# KiCad board robot-hub_rev4.1.kicad_pcb
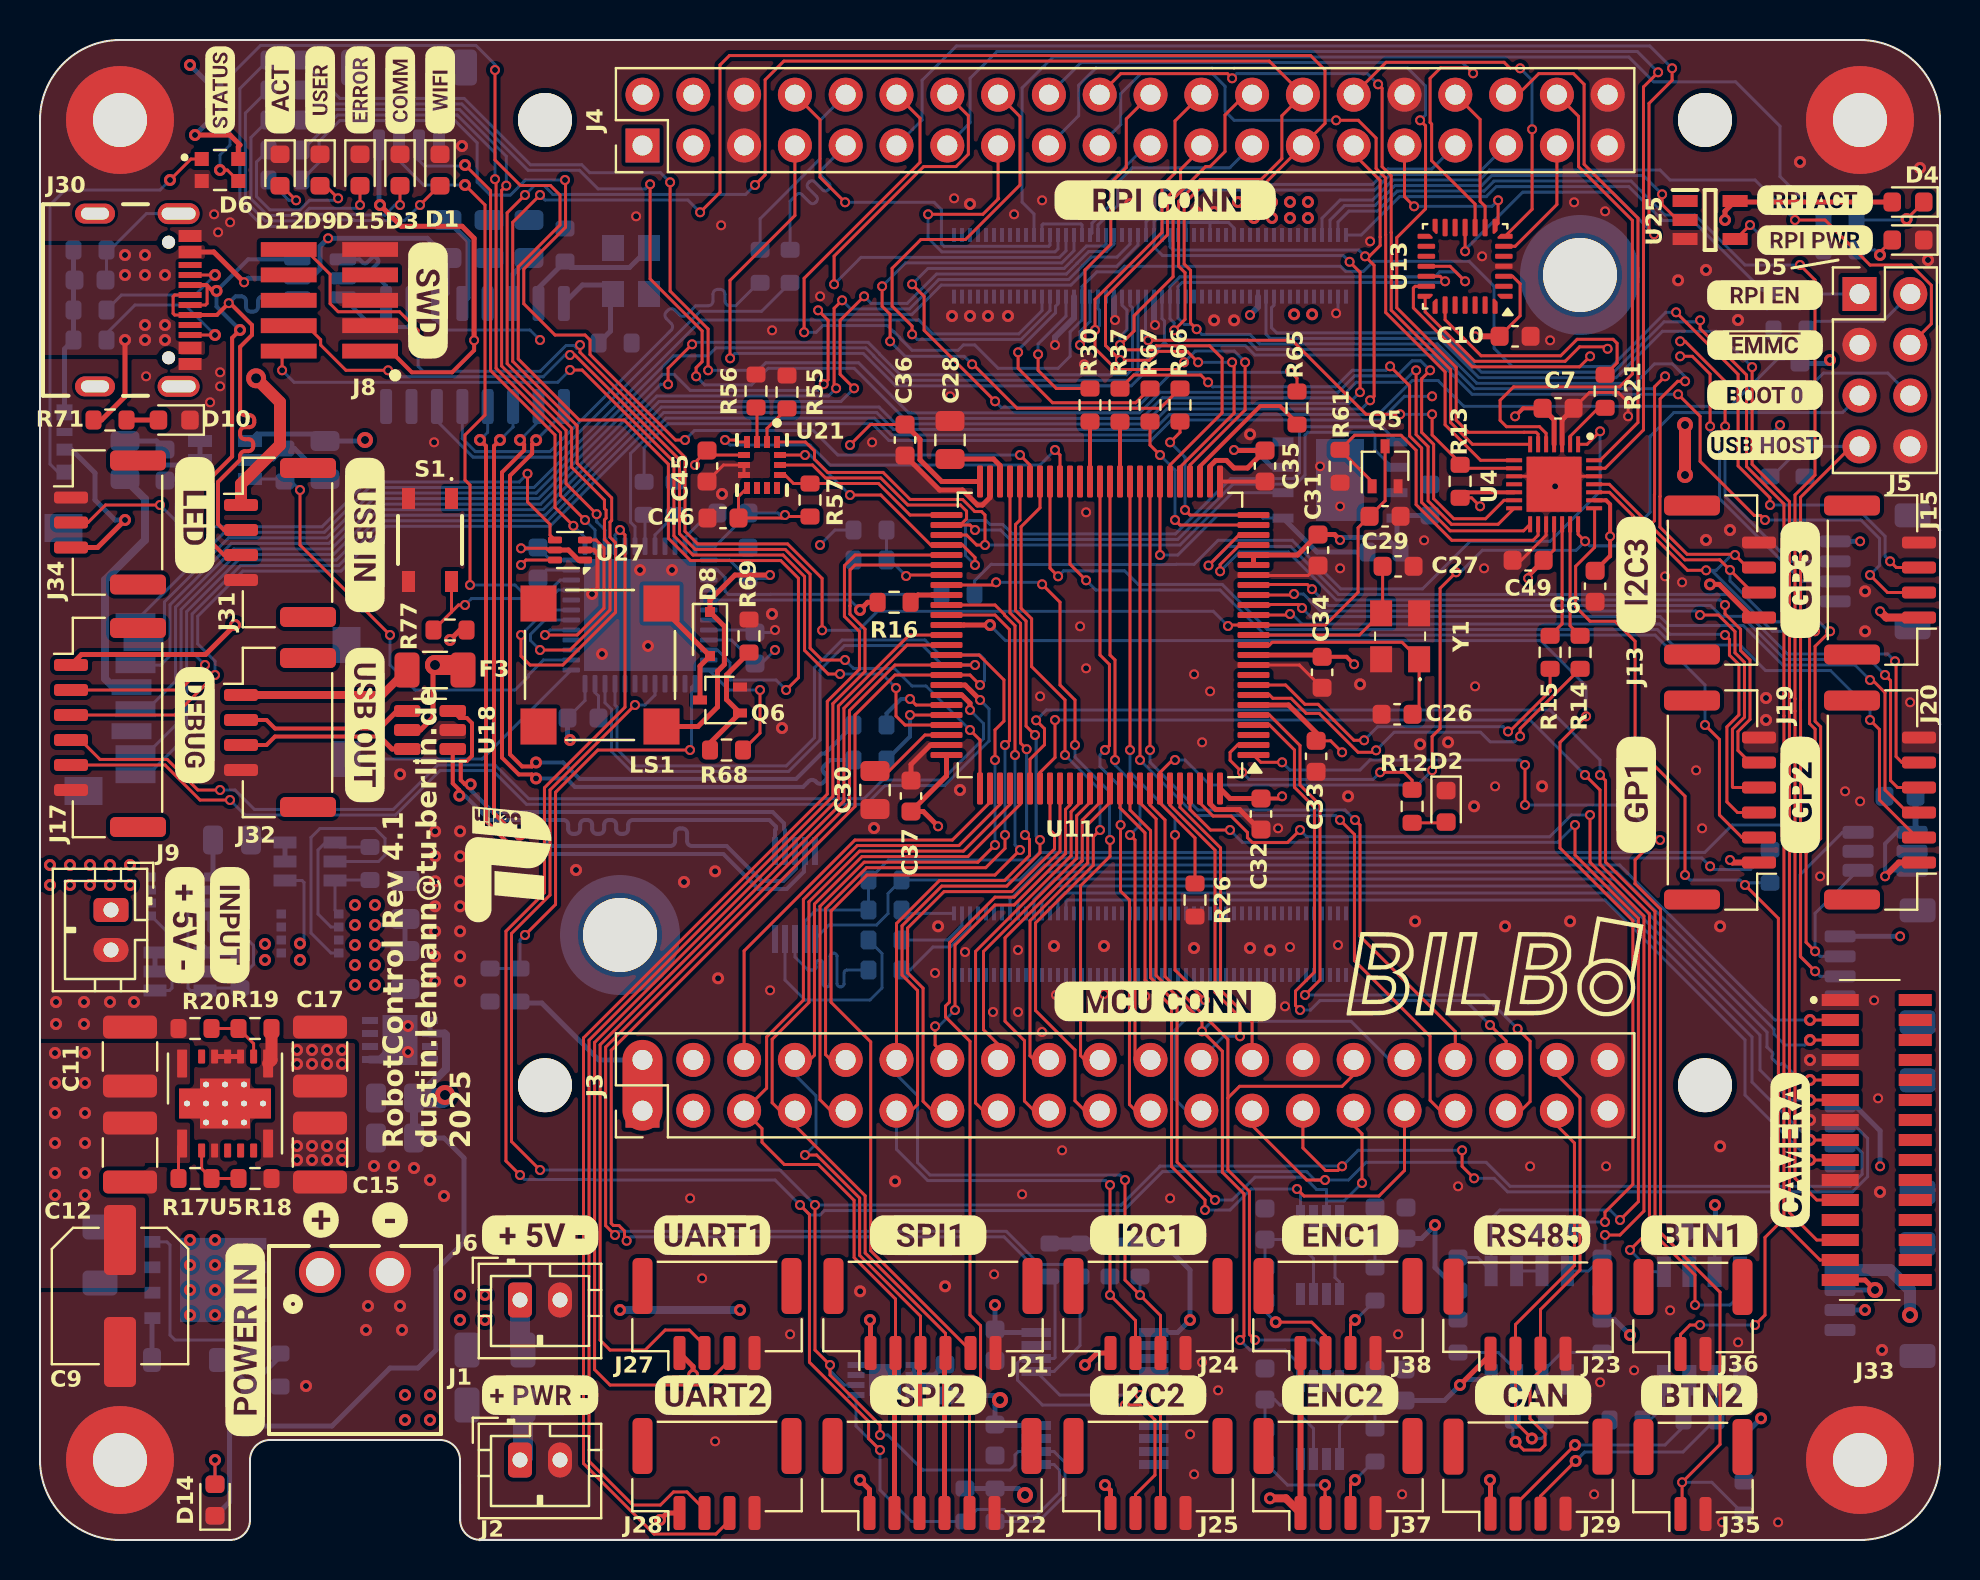
[diagram p0: board, top side]
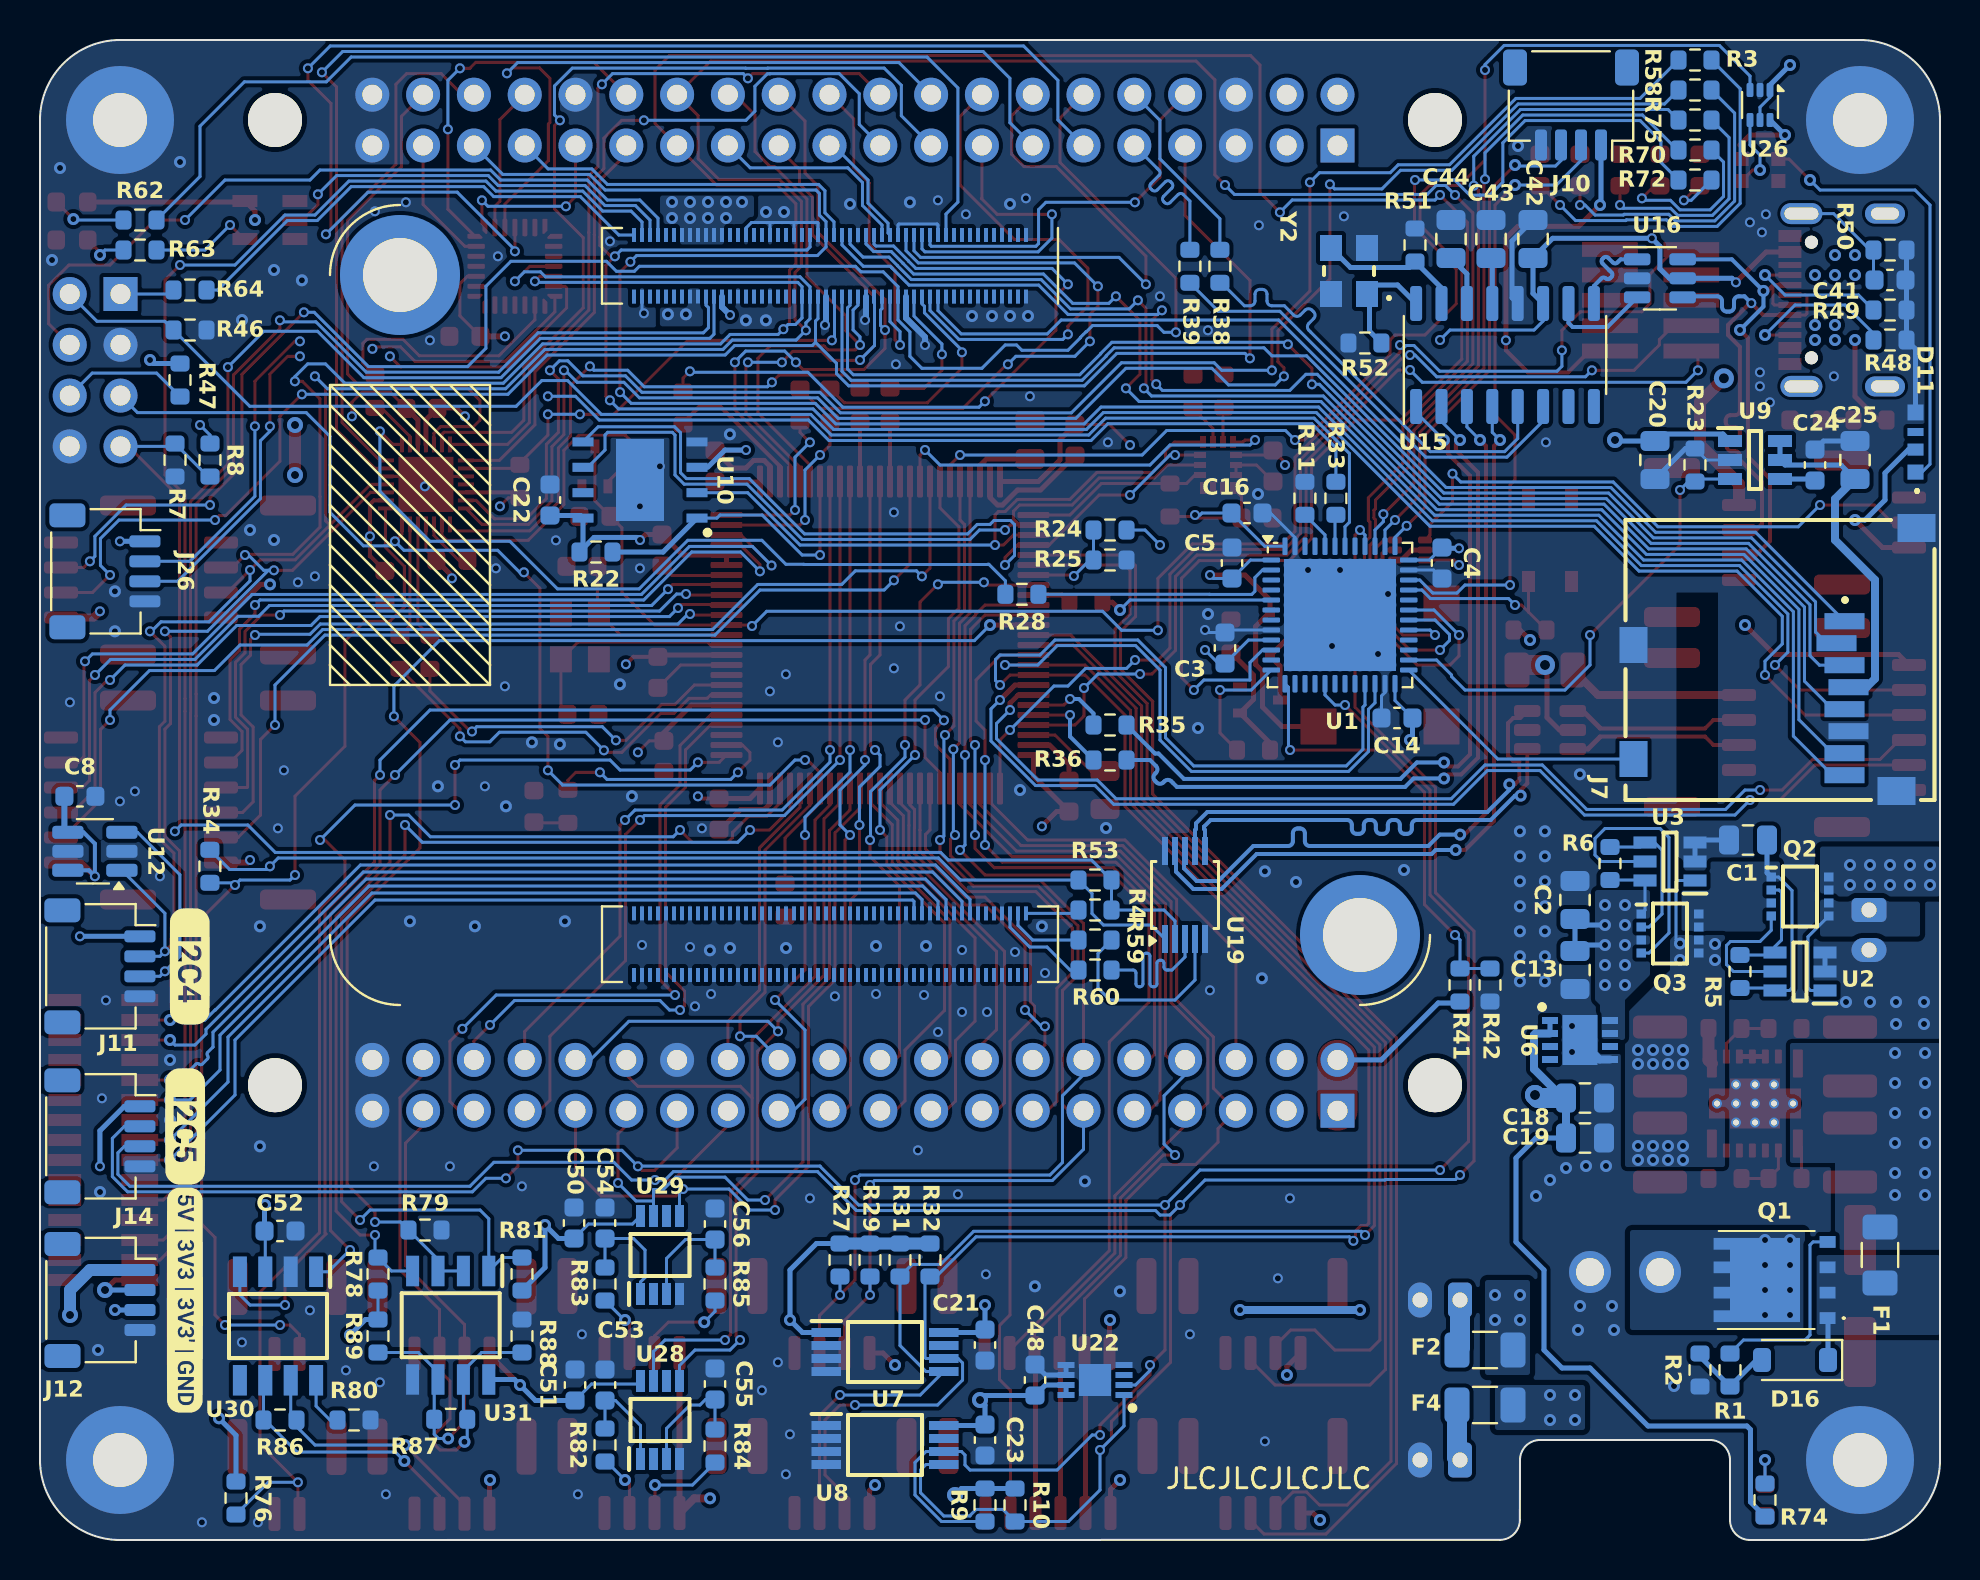
[diagram p1: board, bottom side, seen from below]

Outline 95 x 75 mm; copper layers: Top, POWER (plane), GND (plane), Bottom. Coordinates in mm from the lower left corner of the outline.
Outline path: 0,71 arc(1.17,73.83) 4,75 91,75 arc(93.83,73.83) 95,71 95,4 arc(93.83,1.17) 91,0 22.01,0.01 arc(21.3,0.3) 21.01,1.01 21,4 arc(20.71,4.71) 20,5 11.5,5 arc(10.79,4.71) 10.5,4 10.5,1 arc(10.21,0.29) 9.5,0 4,0 arc(1.17,1.17) 0,4 0,71
Stack: Top 0.035mm / dielectric 0.5mm FR4 er 4.5 / POWER 0.035mm / dielectric 0.5mm FR4 er 4.5 / GND 0.035mm / dielectric 0.5mm FR4 er 4.5 / Bottom 0.035mm

## Placement (name value [footprint] x y rotation side)
C1  10u  [C_0805_2012Metric]  9.6 35 0 bottom
C2  10u  [C_0805_2012Metric]  18.25 32 90 bottom
C3  0.1u  [C_0603_1608Metric]  35.75 44.6 90 bottom
C4  0.1u  [C_0603_1608Metric]  24.9 48.85 270 bottom
C5  0.1u  [C_0603_1608Metric]  35.4 48.85 90 bottom
C6  100n  [C_0603_1608Metric]  77.75 47.69 270 top
C7  100n  [C_0603_1608Metric]  75.91 56.59 0 top
C8  100n  [C_0603_1608Metric]  93 37.19 180 bottom
C9  47uF  [CP_Elec_6.3x5.2]  4 12.2 270 top
C10  100n  [C_0603_1608Metric]  73.75 60.19 0 top
C11  10u  [C_1210_3225Metric]  4.5 24.17 90 top
C12  10u  [C_1210_3225Metric]  4.5 19.38 270 top
C13  1u  [C_0805_2012Metric]  18.25 28.5 270 bottom
C14  0.1u  [C_0603_1608Metric]  27.15 41.1 0 bottom
C15  C_Small  [C_1210_3225Metric]  14 19.38 270 top
C16  0.1u  [C_0603_1608Metric]  34.65 51.35 180 bottom
C17  C_Small  [C_1210_3225Metric]  14 24.17 90 top
C18  10u  [C_0805_2012Metric]  17.75 22.1 180 bottom
C19  10u  [C_0805_2012Metric]  17.75 20.1 180 bottom
C20  33u  [C_0805_2012Metric]  14.25 54 270 bottom
C21  100n  [C_0603_1608Metric]  47.75 9.75 270 bottom
C22  100n  [C_0603_1608Metric]  69.5 52 270 bottom
C23  100n  [C_0603_1608Metric]  47.75 5 270 bottom
C24  4n7  [C_0603_1608Metric]  6.25 53.75 90 bottom
C25  2u2  [C_0805_2012Metric]  4.25 54 90 bottom
C26  20pF  [C_0603_1608Metric]  67.85 41.28 180 top
C27  20pF  [C_0603_1608Metric]  67.91 48.69 0 top
C28  2u2  [C_0805_2012Metric]  45.5 55 270 top
C29  100n  [C_0603_1608Metric]  67.25 51.19 0 top
C30  2u2  [C_0805_2012Metric]  41.75 37.5 90 top
C31  100n  [C_0603_1608Metric]  63.9 49.5 270 top
C32  100n  [C_0603_1608Metric]  61.05 36.3 270 top
C33  100n  [C_0603_1608Metric]  63.81 39.19 270 top
C34  100n  [C_0603_1608Metric]  64.1 43.39 270 top
C35  100n  [C_0603_1608Metric]  61.25 53.7 90 top
C36  100n  [C_0603_1608Metric]  43.25 55 270 top
C37  100n  [C_0603_1608Metric]  43.55 37.2 90 top
C41  22p  [C_0603_1608Metric]  2.5 63 180 bottom
C42  100n  [C_0805_2012Metric]  20.35 65.05 90 bottom
C43  10u  [C_0805_2012Metric]  22.45 65.05 90 bottom
C44  10u  [C_0805_2012Metric]  24.45 65.05 90 bottom
C45  100n  [C_0603_1608Metric]  33.35 53.7 270 top
C46  100n  [C_0603_1608Metric]  34.15 51.1 180 top
C48  100n  [C_0603_1608Metric]  45.25 8 90 bottom
C49  100n  [C_0603_1608Metric]  74.41 48.98 180 top
C50  0.1u  [C_0603_1608Metric]  68.3 15.85 90 bottom
C51  0.1u  [C_0603_1608Metric]  68.25 7.75 90 bottom
C52  100n  [C_0603_1608Metric]  83 15.45 180 bottom
C53  100p  [C_0603_1608Metric]  66.75 7.75 90 bottom
C54  100p  [C_0603_1608Metric]  66.75 15.85 90 bottom
C55  100p  [C_0603_1608Metric]  61.25 7.8 90 bottom
C56  100p  [C_0603_1608Metric]  61.25 15.8 90 bottom
D1  CM4_LED_INTERNAL  [LED_0603_1608Metric]  20 68.5 270 top
D2  UC_LED2  [LED_0603_1608Metric]  70.31 36.69 270 top
D3  CM4_LED_SX1508  [LED_0603_1608Metric]  18 68.5 270 top
D4  ACT_LED_CM4  [LED_0603_1608Metric]  93.4 66.9 180 top
D5  PWR_LED_CM4  [LED_0603_1608Metric]  93.4 65 180 top
D6  WS2812-2020  [ws2812_2020]  9 68.5 0 top
D8  1N4148  [D_SOD-323F]  33.5 45.3 270 top
D9  UC_LED2  [LED_0603_1608Metric]  14 68.5 270 top
D10  USB_LED  [LED_0603_1608Metric]  6.71 56 180 top
D11  SK6812_SIDE  [SK6812SIDE]  0.9 54.9 90 bottom
D12  UC_LED1  [LED_0603_1608Metric]  12 68.5 270 top
D14  PWR_LED  [LED_0603_1608Metric]  8.75 2 90 top
D15  ERROR_LED  [LED_0603_1608Metric]  16 68.5 270 top
D16  MMSZ5242BT1G  [D_SOD-123]  7.25 9 0 bottom
F1  5A Fuse  [Fuse_1206_3216Metric]  3 14.25 90 bottom
F2  2A Fuse  [Fuse_1206_3216Metric]  22.75 9.5 0 bottom
F3  1A Fuse  [Fuse_1206_3216Metric]  19.75 43.5 180 top
F4  2A Fuse  [Fuse_1206_3216Metric]  22.75 6.75 0 bottom
G***  LOGO  [camera]  87.5 19.5 90 top
G***#2  LOGO  [enc2]  65 7.25 0 top
G***#3  LOGO  [plus]  14.05 16 0 top
G***#4  LOGO  [rpi_conn]  56.25 67 0 top
G***#5  LOGO  [usb_host]  86.25 54.75 0 top
G***#6  LOGO  [debug]  7.75 40.75 270 top
G***#7  LOGO  [enc1]  65 15.25 0 top
G***#8  LOGO  [spi1]  44.4 15.25 0 top
G***#9  LOGO  [btn1]  82.95 15.25 0 top
G***#10  LOGO  [error]  16 72.5 90 top
G***#11  LOGO  [i2c2]  55.4 7.25 0 top
G***#12  LOGO  [not_emmc]  86.25 59.75 0 top
G***#13  LOGO  [mcu_conn]  56.25 26.94 0 top
G***#14  LOGO  [rpi_pwr]  88.75 65 0 top
G***#15  LOGO  [act]  12 72.5 90 top
G***#16  LOGO  [5v_small]  7.25 30.75 270 top
G***#17  LOGO  [tub_6]  23.41 33.78 90 top
G***#18  LOGO  [usb_in]  16.25 50.25 270 top
G***#19  LOGO  [minus]  17.5 16 0 top
G***#20  LOGO  [power_in]  10.25 10 90 top
G***#21  LOGO  [comm]  18 72.48 90 top
G***#22  LOGO  [i2c3]  79.8 48.25 90 top
G***#23  LOGO  [user_1.5]  14 72.5 90 top
G***#24  LOGO  [boot0]  86.25 57.25 0 top
G***#25  LOGO  [swd]  19.41 61.98 270 top
G***#26  LOGO  [5v_small]  25 15.25 0 top
G***#27  LOGO  [rs485]  74.6 15.25 0 top
G***#28  LOGO  [spi2]  44.4 7.25 0 top
G***#29  LOGO  [uart2]  33.65 7.25 0 top
G***#30  LOGO  [uart1]  33.6 15.25 0 top
G***#31  LOGO  [pwr_2]  25 7.25 0 top
G***#32  LOGO  [input]  9.5 30.75 270 top
G***#33  LOGO  [bilbo]  72.75 28.69 0 top
G***#34  LOGO  [gp3]  88 48 90 top
G***#35  LOGO  [i2c1]  55.4 15.25 0 top
G***#36  LOGO  [rpi_en]  86.25 62.25 0 top
G***#37  LOGO  [gp2]  88 37.25 90 top
G***#38  LOGO  [usb_out]  16.25 40.75 270 top
G***#39  LOGO  [can]  74.65 7.25 0 top
G***#40  LOGO  [rpi_act]  88.75 67 0 top
G***#41  LOGO  [status]  9 72.5 90 top
G***#42  LOGO  [gp1]  79.8 37.25 90 top
G***#43  LOGO  [led]  7.75 51.25 270 top
G***#44  LOGO  [wifi]  20 72.5 90 top
G***#45  LOGO  [btn2]  82.95 7.25 0 top
G***#46  LOGO  [i2c5]  87.74 20.69 270 bottom
G***#47  LOGO  [i2c4]  87.5 28.69 270 bottom
G***#48  LOGO  [power_conn]  87.75 12 270 bottom
H1  MountingHole  [WA-SMSI-25]  77 63.25 180 bottom
H2  MountingHole  [WA-SMSI-25]  29 30.25 180 bottom
H3  MountingHole_Pad  [MountingHole_2.7mm_M2.5_Pad]  91 4 0 top
H4  MountingHole_Pad  [MountingHole_2.7mm_M2.5_Pad]  4 71 0 top
H5  MountingHole_Pad  [MountingHole_2.7mm_M2.5_Pad]  91 71 0 top
H6  MountingHole_Pad  [MountingHole_2.7mm_M2.5_Pad]  4 4 0 top
H9  MountingHole_Pad  [MountingHole_2.7mm_M2.5_DIN965]  83.25 22.74 0 top
H10  MountingHole  [MountingHole_2.7mm_M2.5_DIN965]  25.25 22.74 0 top
H11  MountingHole_Pad  [MountingHole_2.7mm_M2.5_DIN965]  83.25 71 0 top
H12  MountingHole_Pad  [MountingHole_2.7mm_M2.5_DIN965]  25.25 71 0 top
J1  POWER_IN  [691322110002]  15.75 13.4 0 top
J2  PWR_OUT  [JST_PH_B2B-PH-K_1x02_P2.00mm_Vertical]  24 4 0 top
J3  MCU_CONN  [PinHeader_2x20_P2.54mm_Vertical]  30.12 21.47 90 top
J4  RPI_CONN  [PinHeader_2x20_P2.54mm_Vertical]  30.12 69.72 90 top
J5  JUMPER_BLOCK  [PinHeader_2x04_P2.54mm_Vertical]  90.97 62.3 0 top
J6  5V_OUT  [JST_PH_B2B-PH-K_1x02_P2.00mm_Vertical]  24 12 0 top
J7  MEM2061-01-188-00-A_REVA  [GCT_MEM2061-01-188-00-A_REVA]  8 44 90 bottom
J8  SWD  [FTSH10501LDVK]  16.5 61.98 90 top
J9  5V_IN  [JST_PH_B2B-PH-K_1x02_P2.00mm_Vertical]  3.55 31.5 270 top
J10  LED-DRIVER_SWD  [JST_SH_SM04B-SRSS-TB_1x04-1MP_P1.00mm_Horizontal]  18.45 71.75 0 bottom
J11  CM4_I2C_UB2  [JST_SH_SM04B-SRSS-TB_1x04-1MP_P1.00mm_Horizontal]  92 28.69 270 bottom
J12  POWER  [JST_SH_SM04B-SRSS-TB_1x04-1MP_P1.00mm_Horizontal]  92 12 270 bottom
J13  CM4_I2C1  [JST_GH_BM04B-GHS-TBT_1x04-1MP_P1.25mm_Vertical]  84 48 90 top
J14  UC_I2C_3  [JST_SH_SM04B-SRSS-TB_1x04-1MP_P1.00mm_Horizontal]  92 20.19 270 bottom
J15  CM4_GP1  [JST_GH_BM04B-GHS-TBT_1x04-1MP_P1.25mm_Vertical]  92 48 90 top
J17  DEBUG_CONN  [JST_GH_BM06B-GHS-TBT_1x06-1MP_P1.25mm_Vertical]  3.5 40.62 270 top
J19  UC_EXP_1  [JST_GH_BM06B-GHS-TBT_1x06-1MP_P1.25mm_Vertical]  84 37 90 top
J20  UC_EXP_2  [JST_GH_BM06B-GHS-TBT_1x06-1MP_P1.25mm_Vertical]  92 37 90 top
J21  UC_SPI_1  [JST_GH_BM06B-GHS-TBT_1x06-1MP_P1.25mm_Vertical]  44.65 11.3 0 top
J22  UC_SPI_2  [JST_GH_BM06B-GHS-TBT_1x06-1MP_P1.25mm_Vertical]  44.6 3.3 0 top
J23  UC_RS485  [JST_GH_BM04B-GHS-TBT_1x04-1MP_P1.25mm_Vertical]  74.4 11.27 0 top
J24  UC_I2C_1  [JST_GH_BM04B-GHS-TBT_1x04-1MP_P1.25mm_Vertical]  55.4 11.3 0 top
J25  UC_I2C_2  [JST_GH_BM04B-GHS-TBT_1x04-1MP_P1.25mm_Vertical]  55.4 3.3 0 top
J26  CM4_EXTENDER_STM_SWD  [JST_SH_SM04B-SRSS-TB_1x04-1MP_P1.00mm_Horizontal]  91.75 48.44 270 bottom
J27  UC_UART_1  [JST_GH_BM04B-GHS-TBT_1x04-1MP_P1.25mm_Vertical]  33.85 11.3 0 top
J28  UC_UART_2  [JST_GH_BM04B-GHS-TBT_1x04-1MP_P1.25mm_Vertical]  33.85 3.3 0 top
J29  UC_CAN  [JST_GH_BM04B-GHS-TBT_1x04-1MP_P1.25mm_Vertical]  74.4 3.27 0 top
J30  USB4105-GF-A  [GCT_USB4105-GF-A]  2.75 62 270 top
J31  USB_IN  [JST_GH_BM04B-GHS-TBT_1x04-1MP_P1.25mm_Vertical]  12 49.88 270 top
J32  USB_EXT  [JST_GH_BM04B-GHS-TBT_1x04-1MP_P1.25mm_Vertical]  12 40.38 270 top
J33  Camera  [117342485]  89.99 20 90 top
J34  LED_EXT  [JST_GH_BM03B-GHS-TBT_1x03-1MP_P1.25mm_Vertical]  3.5 50.88 270 top
J35  USER_BTN_EXT  [JST_GH_BM02B-GHS-TBT_1x02-1MP_P1.25mm_Vertical]  82.65 3.25 0 top
J36  USER_BTN_EXT_2  [JST_GH_BM02B-GHS-TBT_1x02-1MP_P1.25mm_Vertical]  82.65 11.25 0 top
J37  ENCODER_1  [JST_GH_BM04B-GHS-TBT_1x04-1MP_P1.25mm_Vertical]  64.9 3.3 0 top
J38  ENCODER_2  [JST_GH_BM04B-GHS-TBT_1x04-1MP_P1.25mm_Vertical]  64.9 11.3 0 top
LS1  CMT-7525-80-SMT-TR  [XDCR_CMT-7525-80-SMT-TR]  28 43.75 180 top
Module1  ComputeModule4  [Raspberry-Pi-4-Compute-Module]  77 63.25 270 bottom
Q1  -  [RS1E260ATTB1]  8.27 13 90 bottom
Q2  QH8*  [SOTFL65P280X85-8N]  7 32.17 180 bottom
Q3  QH8*  [SOTFL65P280X85-8N]  13.5 30.33 180 bottom
Q5  BSS138  [SOT-323_SC-70]  67.25 53.69 90 top
Q6  BC817  [SOT-323_SC-70]  34 42 180 top
R1  10k  [R_0603_1608Metric]  10.5 8.5 270 bottom
R2  100k  [R_0603_1608Metric]  12 8.5 270 bottom
R3  1k  [R_0603_1608Metric]  12.25 74 180 bottom
R4  0  [R_0603_1608Metric]  42.25 31.5 180 bottom
R5  470k  [R_0603_1608Metric]  10 28.42 90 bottom
R6  470k  [R_0603_1608Metric]  16.5 33.83 90 bottom
R7  DNP  [R_0603_1608Metric]  88.25 54 270 bottom
R8  DNP  [R_0603_1608Metric]  86.5 54 270 bottom
R9  4k7  [R_0603_1608Metric]  47.75 1.75 90 bottom
R10  4k7  [R_0603_1608Metric]  46.25 1.75 90 bottom
R11  10k  [R_0603_1608Metric]  31.75 52.09 90 bottom
R12  1k  [R_0603_1608Metric]  68.6 36.69 270 top
R13  10k  [R_0603_1608Metric]  71 52.94 270 top
R14  1k  [R_0603_1608Metric]  77 44.39 270 top
R15  1k  [R_0603_1608Metric]  75.5 44.39 270 top
R16  1k  [R_0603_1608Metric]  42.7 46.89 180 top
R17  R1  [R_0603_1608Metric]  7.75 18.08 0 top
R18  R2  [R_0603_1608Metric]  10.75 18.08 0 top
R19  R1  [R_0603_1608Metric]  10.75 25.58 180 top
R20  R2  [R_0603_1608Metric]  7.75 25.58 180 top
R21  1k  [R_0603_1608Metric]  78.25 57.44 270 top
R22  10k  [R_0603_1608Metric]  67.2 49.4 180 bottom
R23  10k  [R_0603_1608Metric]  12.25 53.75 270 bottom
R24  10k  [R_0603_1608Metric]  41.5 50.5 0 bottom
R25  10k  [R_0603_1608Metric]  41.5 49 180 bottom
R26  10k  [R_0603_1608Metric]  57.75 32 270 top
R27  4.7k  [R_0603_1608Metric]  55 14 270 bottom
R28  10k  [R_0603_1608Metric]  45.91 47.28 0 bottom
R29  4.7k  [R_0603_1608Metric]  53.5 14 270 bottom
R30  100  [R_0603_1608Metric]  52.5 56.75 90 top
R31  4.7k  [R_0603_1608Metric]  52 14 270 bottom
R32  4.7k  [R_0603_1608Metric]  50.5 14 270 bottom
R33  1k  [R_0603_1608Metric]  30.2 52.09 90 bottom
R34  10k  [R_0603_1608Metric]  86.5 33.69 270 bottom
R35  22  [R_0603_1608Metric]  41.5 40.75 180 bottom
R36  22  [R_0603_1608Metric]  41.5 39 180 bottom
R37  100  [R_0603_1608Metric]  54 56.74 270 top
R38  NC  [R_0603_1608Metric]  36 63.69 90 bottom
R39  NC  [R_0603_1608Metric]  37.5 63.69 90 bottom
R41  100k  [R_0603_1608Metric]  24 27.75 270 bottom
R42  10k  [R_0603_1608Metric]  22.5 27.75 90 bottom
R46  20k  [R_0603_1608Metric]  87.5 60.5 0 bottom
R47  1k  [R_0603_1608Metric]  88 58 270 bottom
R48  5.1k  [R_0603_1608Metric]  2.5 60 180 bottom
R49  5.1k  [R_0603_1608Metric]  2.5 61.5 180 bottom
R50  1M  [R_0603_1608Metric]  2.5 64.5 180 bottom
R51  NC  [R_0603_1608Metric]  26.25 64.75 90 bottom
R52  NC  [R_0603_1608Metric]  28.75 59.85 180 bottom
R53  10k  [R_0603_1608Metric]  42.25 33 180 bottom
R55  309k  [R_0603_1608Metric]  37.35 57.4 90 top
R56  309k  [R_0603_1608Metric]  35.8 57.45 90 top
R57  10k  [R_0603_1608Metric]  38.5 52 90 top
R58  1k  [R_0603_1608Metric]  12.25 72.5 180 bottom
R59  22  [R_0603_1608Metric]  42.25 30 180 bottom
R60  22  [R_0603_1608Metric]  42.25 28.5 180 bottom
R61  10k  [R_0603_1608Metric]  65 53.69 270 top
R62  1k  [R_0603_1608Metric]  90 66 180 bottom
R63  1k  [R_0603_1608Metric]  90 64.5 180 bottom
R64  100  [R_0603_1608Metric]  87.5 62.5 0 bottom
R65  1k  [R_0603_1608Metric]  62.85 56.6 270 top
R66  1k  [R_0603_1608Metric]  57 56.75 270 top
R67  1k  [R_0603_1608Metric]  55.5 56.75 270 top
R68  180  [R_0603_1608Metric]  34.32 39.5 0 top
R69  10k  [R_0603_1608Metric]  35.45 45.2 90 top
R70  1k  [R_0603_1608Metric]  12.25 69.5 180 bottom
R71  1k  [R_0603_1608Metric]  3.5 56 0 top
R72  1k  [R_0603_1608Metric]  12.25 68 180 bottom
R74  1k  [R_0603_1608Metric]  8.75 2 90 bottom
R75  1k  [R_0603_1608Metric]  12.25 71 180 bottom
R76  10k  [R_0603_1608Metric]  85.2 2.1 270 bottom
R77  10k  [R_0603_1608Metric]  20.5 45.5 180 top
R78  10k  [R_0603_1608Metric]  78.1 13.3 90 bottom
R79  10k  [R_0603_1608Metric]  75.75 15.5 180 bottom
R80  10k  [R_0603_1608Metric]  79.3 6 180 bottom
R81  10k  [R_0603_1608Metric]  70.9 13.3 90 bottom
R82  1k  [R_0603_1608Metric]  66.75 4.75 270 bottom
R83  1k  [R_0603_1608Metric]  66.75 12.8 270 bottom
R84  1k  [R_0603_1608Metric]  61.25 4.7 270 bottom
R85  1k  [R_0603_1608Metric]  61.25 12.8 270 bottom
R86  120  [R_0603_1608Metric]  83 6 0 bottom
R87  120  [R_0603_1608Metric]  74.47 6.04 0 bottom
R88  390 (NC)  [R_0603_1608Metric]  70.9 10.2 270 bottom
R89  390 (NC)  [R_0603_1608Metric]  78.1 10.2 90 bottom
S1  -  [434123025826]  19.5 50 270 top
U1  STM32L431CCUx  [QFN-48-1EP_7x7mm_P0.5mm_EP5.6x5.6mm]  30 46.25 180 bottom
U2  LTC4412ES6#TRMPBF  [SOT95P280X100-6N]  7 28.42 0 bottom
U3  LTC4412ES6#TRMPBF  [SOT95P280X100-6N]  13.5 33.92 0 bottom
U4  SX1509QBIULTRT  [QFN40P400X400X60-29N-D]  75.7 52.78 270 top
U5  TPSM53603RDA  [Texas_B3QFN-14-1EP_5x5.5mm_P0.65mm_ThermalVia]  9.25 21.83 90 top
U6  NCV8187AMLE330TCG  [SON65P300X300X100-9N-D]  18 25 180 bottom
U7  M24512-DFDW6TP  [SOP65P640X120-8N]  52.75 9.4 180 bottom
U8  M24512-DFDW6TP  [SOP65P640X120-8N]  52.75 4.75 180 bottom
U9  TPS22810TDBVRQ1  [SOT95P280X145-6N]  9.25 54 180 bottom
U10  FM25V20A-DGQTR  [SON127P600X500X80-9N]  65 53 0 bottom
U11  STM32H743VITx  [LQFP-100_14x14mm_P0.5mm]  53 45.25 180 top
U12  24AA025E48T-I/OT  [SOT-23-6_Handsoldering]  92.25 34.44 0 bottom
U13  STM32G071GBUx  [QFN-28_4x4mm_P0.5mm]  71.25 63.69 180 top
U15  SL2.1A  [SO-16_3.9x9.9mm_P1.27mm]  21.75 59.25 90 bottom
U16  USBLC6-2SC6  [SOT-23-6]  14 63.09 180 bottom
U18  USBLC6-2SC6  [SOT-23-6]  19.5 40.5 180 top
U19  FSUSB42MUX  [MSOP-10_3x3mm_P0.5mm]  37.75 32.25 90 bottom
U21  BMX160  [PQFN50P300X250X88-14N]  36.1 53.75 270 top
U22  PCT2075TP,147  [SON50P300X200X80-9N]  42.25 8 0 bottom
U25  MC74VHC1G14DTT1G  [SOT95P275X110-5N]  83.5 66 0 top
U26  74LVC1T45Z6-7  [SOT-563]  9 71.75 270 bottom
U27  74LVC1T45Z6-7  [SOT-563]  26.5 49.5 180 top
U28  SN74LVC3G17DCTR  [SOP65P400X130-8N]  64 6 90 bottom
U29  SN74LVC3G17DCTR  [SOP65P400X130-8N]  64 14.25 90 bottom
U30  SN65HVD230  [SOIC127P600X175-8N]  83.1 10.7 270 bottom
U31  MAX3485  [SOIC127P600X175-8N#2]  74.47 10.74 270 bottom
Y1  ‎ECS-250-20-33-TR‎  [ECS2501833BCKYTR]  68 45.19 90 top
Y2  ECS-120-20-33-CKM-TR  [ECS1202033CKMTR]  29.55 63.45 90 bottom

## Library data of the parts
C1-C8 C10-C37 C41-C46 C48-C56 = -: ki_fp_filters: C_*
C9 = -: ki_fp_filters: CP_*
D1 D5 = -: Datasheet: http://optoelectronics.liteon.com/upload/download/DS22-2000-210/LTST-S270KRKT.pdf; Field4: Digikey; Field5: LTST-S270KRKT; Field6: SML-A12U8TT86Q; Field7: Rohm; Field8: 650295101; Part Description: Red 620nm LED Indication - Discrete 2.2V 2-SMD, No Lead; ki_fp_filters: LED* LED_SMD:* LED_THT:*
D2 D3 D9 D10 D12 D14 D15 = -: ki_fp_filters: LED* LED_SMD:* LED_THT:*
D4 = -: Datasheet: http://optoelectronics.liteon.com/upload/download/DS22-2000-226/LTST-S270KGKT.pdf; Field4: Digikey; Field5: LTST-S270KGKT; Field6: SML-A12M8TT86N; Field7: Rohm; Field8: 650263301; Part Description: Green 572nm LED Indication - Discrete 2.2V 2-SMD, No Lead; ki_fp_filters: LED* LED_SMD:* LED_THT:*
D6 = -: MANUFACTURER: Worldsemi; STANDARD: Manufacturer Recommendations
D8 D16 = -: ki_fp_filters: TO-???* *_Diode_* *SingleDiode* D_*
D11 = -: Datasheet: https://drive.google.com/file/d/1ogB9Ikb2NH7tOdPVDoBaHqeA7tHurhhe/view?usp=sharing; Description: SK6812 SIDE/SK6805 SIDE is a smart LED control circuit; Height: 2.05; Manufacturer_Name: Shenzhen Normand Electronic; Manufacturer_Part_Number: SK6812 SIDE
F1-F4 = -: ki_fp_filters: SM*
H1 H2 = -: ki_fp_filters: MountingHole*
H3-H6 = -: ki_fp_filters: MountingHole*Pad*
H9-H12 = -: Description: Mounting Hole without connection; ki_fp_filters: MountingHole*
J1 J2 J6 J9-J15 J17 J19-J29 J31-J38 = -: ki_fp_filters: Connector*:*_1x??_*
J3-J5 J8 = -: ki_fp_filters: Connector*:*_2x??_*
J7 = -: MANUFACTURER: GCT
J30 = -: MANUFACTURER: GCT; MAXIMUM_PACKAGE_HEIGHT: 3.31 mm; PARTREV: A3; STANDARD: Manufacturer Recommendations
LS1 = -: Field4: Manufacturer Recommendations; Field5: N/A; Field6: CUI Inc.
Module1 = -: Field4: Hirose; Field5: 2off DF40C-100DS-0.4V; Field6: 2off DF40C-100DS-0.4V; Field7: Hirose; Part Description: 100 Position Connector Receptacle, Center Strip Contacts Surface Mount Gold
Q1 = -: Datasheet: https://www.rohm.com/datasheet/RS1E260AT/rs1e260attb1-e; Description: RS1E260ATTB1 P-Channel MOSFET, 80 A, 30 V RS1E260AT, 8-Pin HSOP ROHM; Height: 1.1; Mouser Part Number: 755-RS1E260ATTB1; Mouser Price/Stock: https://www.mouser.co.uk/ProductDetail/ROHM-Semiconductor/RS1E260ATTB1/?qs=F5EMLAvA7IDyVBE6NobVaw%3D%3D; Manufacturer_Name: ROHM Semiconductor
Q2 Q3 = -: Datasheet: https://componentsearchengine.com/Datasheets/2/QS8J13TR.pdf; Description: ROHM QS8J13TR Dual P-channel MOSFET, 5.5 A, 12 V QS8J13, 8-Pin TSMT; Height: 0.85; Mouser Part Number: 755-QS8J13TR; Mouser Price/Stock: https://www.mouser.co.uk/ProductDetail/ROHM-Semiconductor/QS8J13TR?qs=npTsUczJOtP3sGUrpa9HZA%3D%3D; Manufacturer_Name: ROHM Semiconductor; Manufacturer_Part_Number: QS8J13TR
Q5 = -: Datasheet: https://www.onsemi.com/pub/Collateral/BSS138-D.PDF; ki_fp_filters: SOT?23*
Q6 = -: Datasheet: http://www.fairchildsemi.com/ds/BC/BC817.pdf; ki_fp_filters: SOT?23*
R1 R2 R4-R6 R9-R12 R14-R20 R22-R39 R41 R42 R46-R52 R55-R60 R68-R72 R74-R77 R82-R85 = -: ki_fp_filters: R_*
R3 R13 R21 R62-R64 = -: Datasheet: https://fscdn.rohm.com/en/products/databook/datasheet/passive/resistor/chip_resistor/mcr-e.pdf; Field4: Farnell; Field5: 9239235; Field7: KOA EUROPE GMBH; Field6: RK73H1ETTP1001F; Part Description: Resistor 1K M1005 1% 63mW; Field8: 125049511; ki_fp_filters: R_*
R7 R8 R53 = -: Datasheet: https://fscdn.rohm.com/en/products/databook/datasheet/passive/resistor/chip_resistor/mcr-e.pdf; Field4: Farnell; Field5: 9239278; Field7: KOA EUROPE GMBH; Field6: RK73G1ETQTP2201D; Part Description: Resistor 2.2K M1005 1% 63mW; Field8: 120889581; ki_fp_filters: R_*